# Allegro board BeagleBoard-X15_RevA2.brd
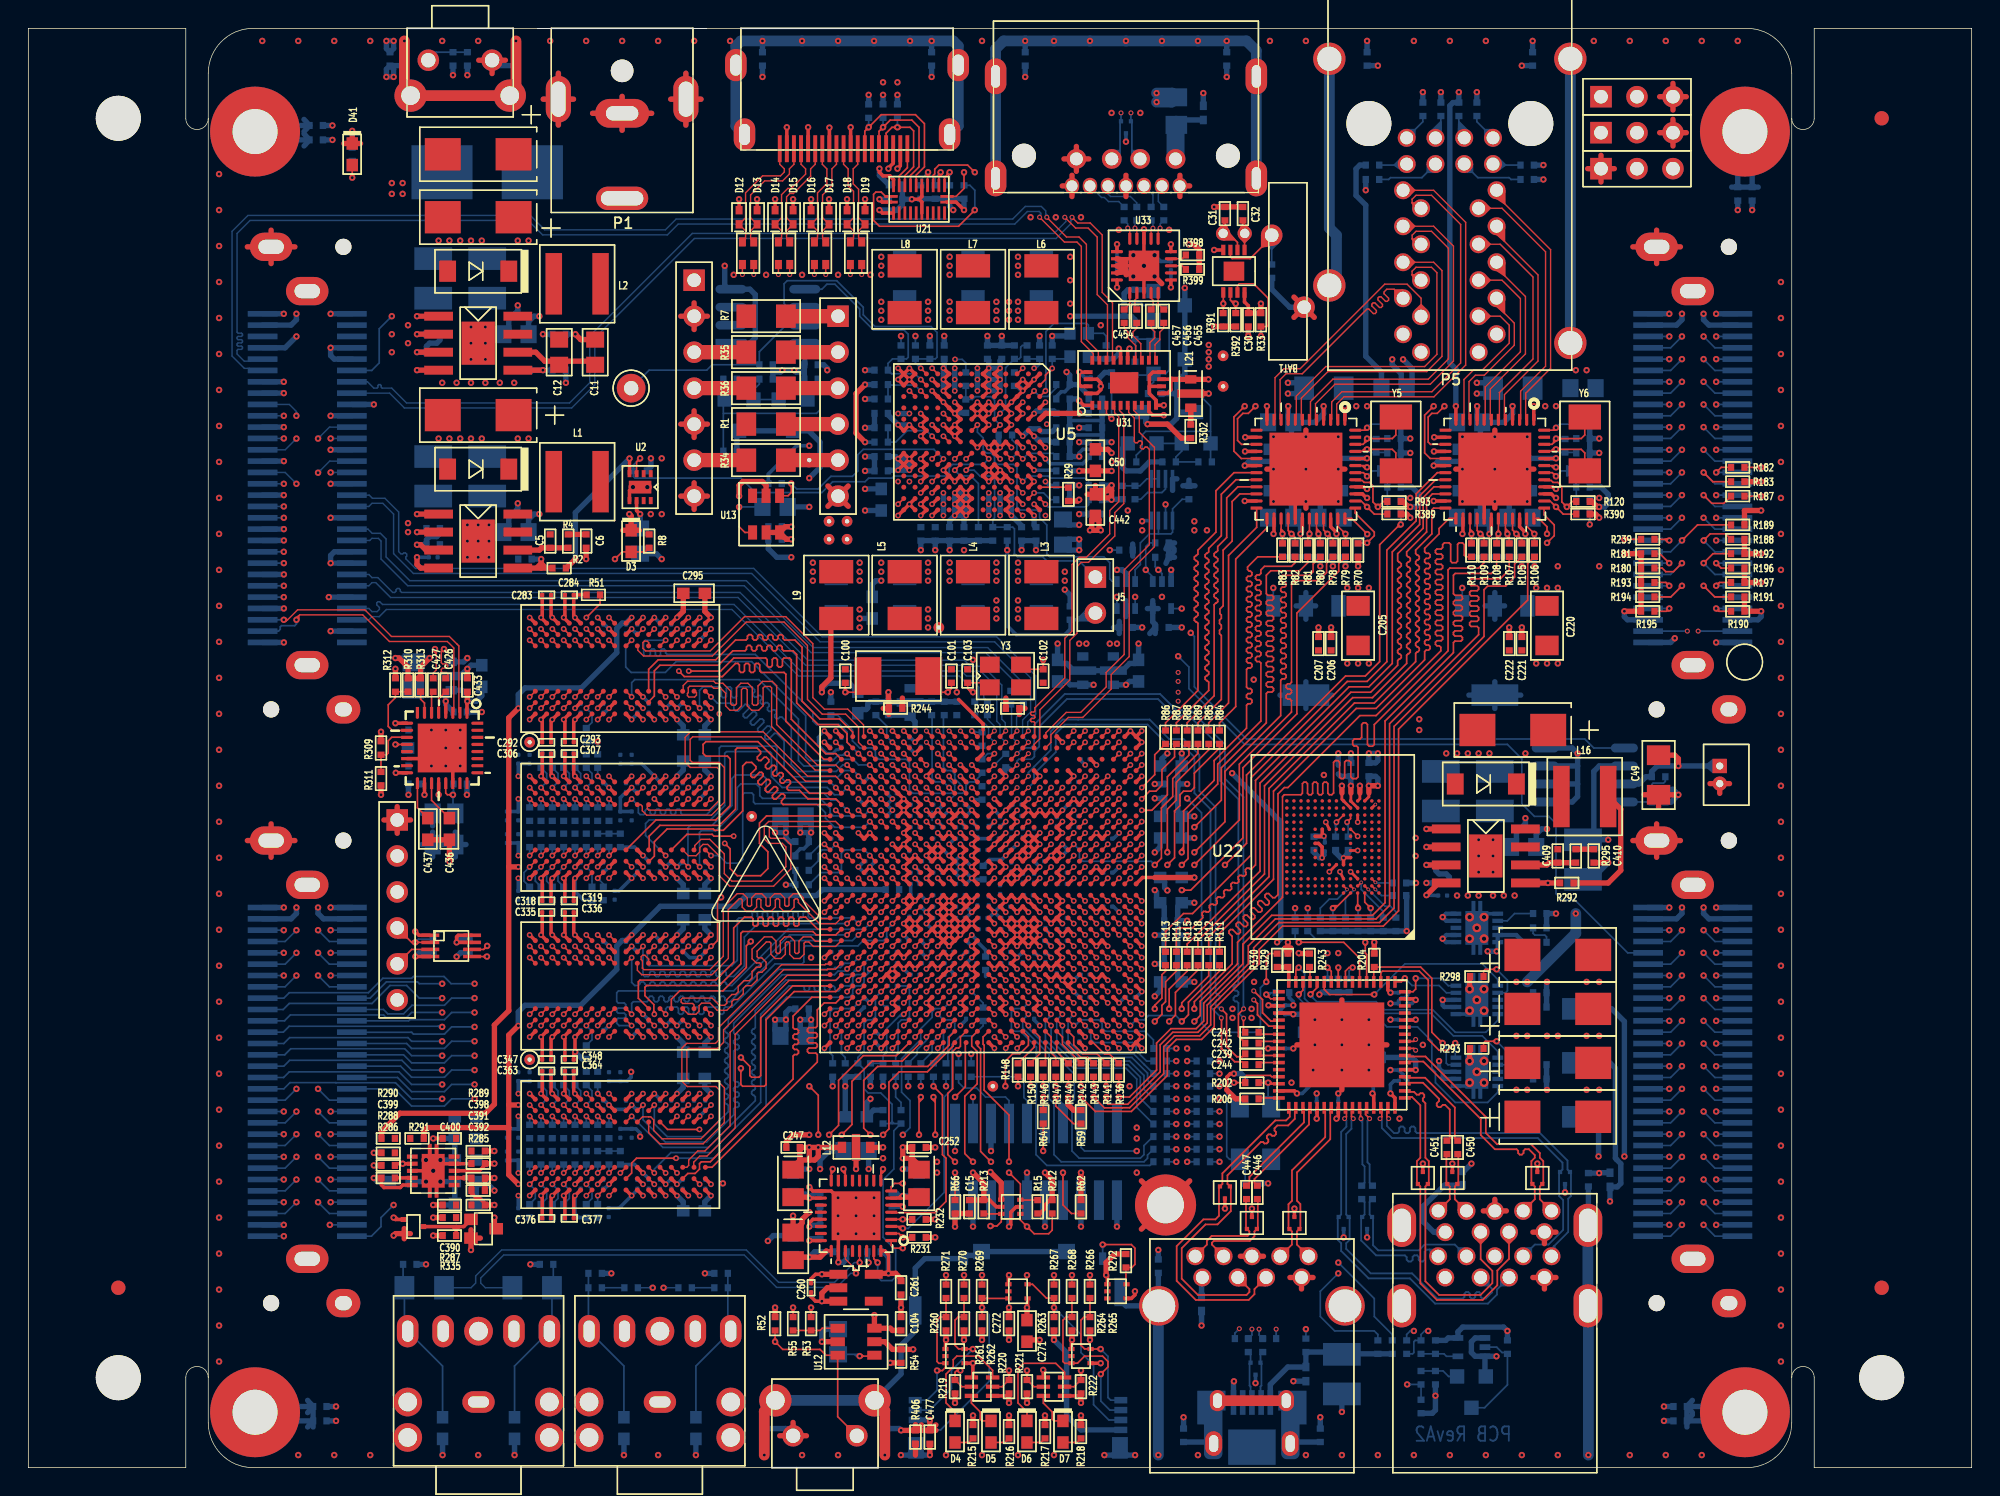
[diagram p0: board, top side]
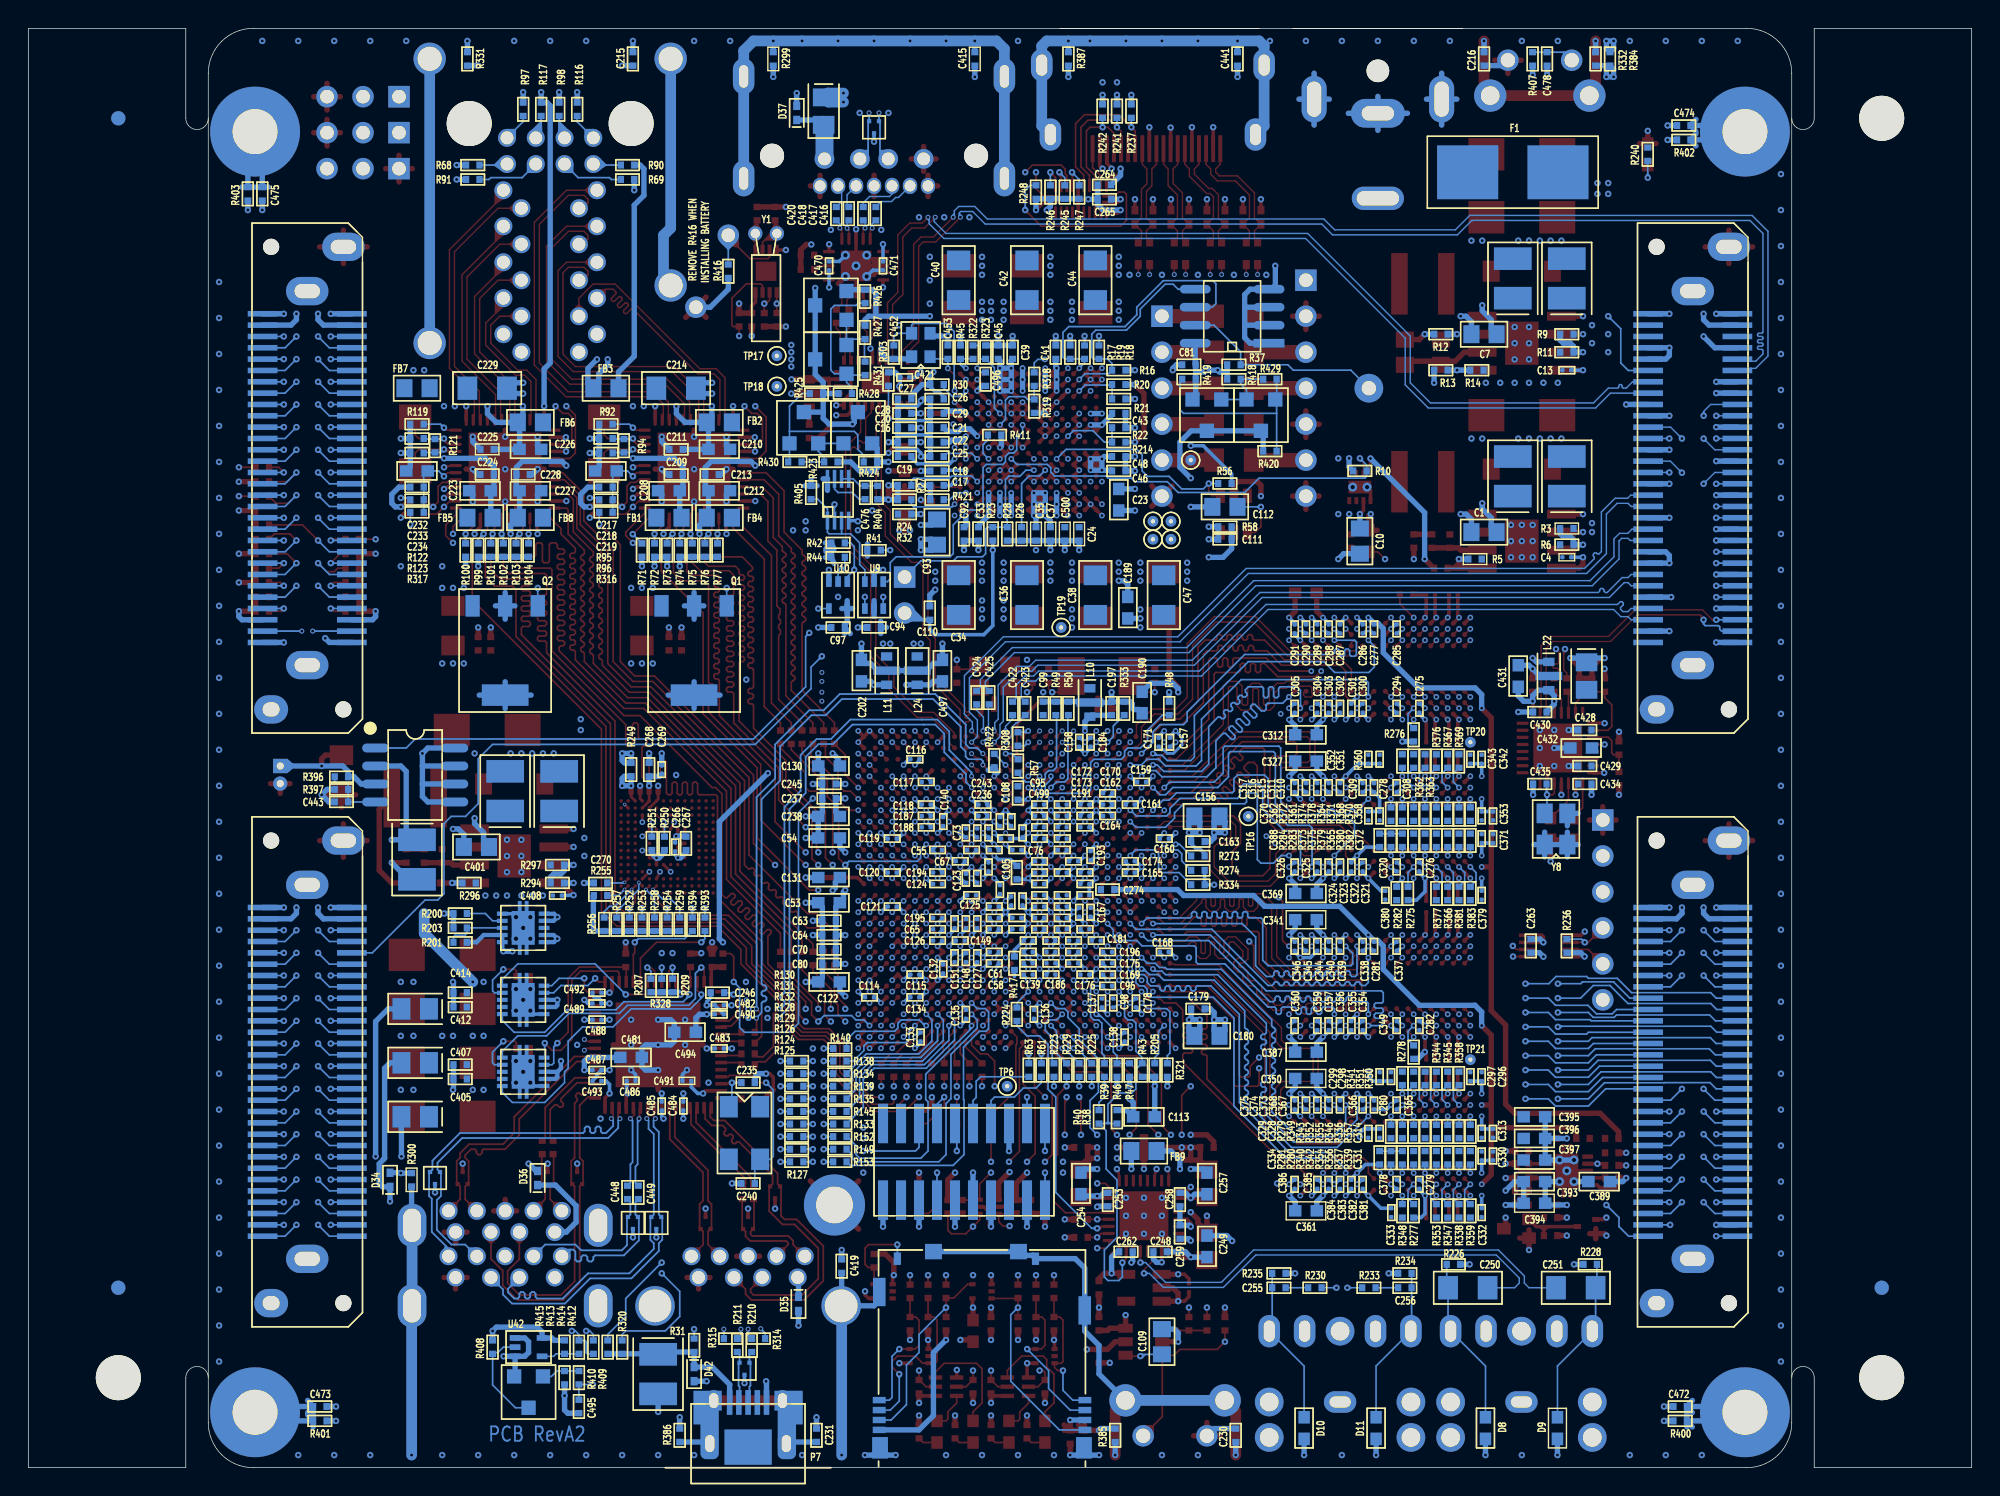
[diagram p1: board, bottom side, seen from below]

Outline 137.16 x 101.6 mm; copper layers: TOP, GND_L2, INT_L3, GND_L4, SIG_L5, PWR_L6, PWR_L7, SIG_L8, GND_L9, SIG_L10, GND_L11, BOTTOM. Coordinates in mm from the lower left corner of the outline.
Outline path: 12.7,6.35 arc(11.91,7.14) 11.11,6.35 11.11,0 0,0 0,101.6 11.11,101.6 11.11,95.25 arc(11.91,94.46) 12.7,95.25 ; 124.46,6.35 arc(125.25,7.14) 126.05,6.35 126.05,0 137.16,0 137.16,101.6 126.05,101.6 126.05,95.25 arc(125.25,94.46) 124.46,95.25 ; 12.7,98.42 12.7,3.17 arc(13.63,0.93) 15.88,0 121.28,0 arc(123.53,0.93) 124.46,3.17 124.46,98.42 arc(123.53,100.67) 121.28,101.6 15.88,101.6 arc(13.63,100.67) 12.7,98.42

## Design rules (mm)
net group AIC_MCLK: nets AIC_MCLK AIC_MCLKR
net group AUDIN: nets AUDIN_L AUDIN_R
net group AUDIO: nets AUDIO_L AUDIO_R
net group CON.PCIE_RX0: nets CON.PCIE_RXN0 CON.PCIE_RXP0
net group CON.PCIE_RX1: nets CON.PCIE_RXN1 CON.PCIE_RXP1
net group CON.PCIE_TXN0: nets CON.PCIE_TXN0 PCIE_TXN0
net group CON.PCIE_TXN1: nets CON.PCIE_TXN1 PCIE_TXN1
net group CON.PCIE_TXP0: nets CON.PCIE_TXP0 PCIE_TXP0
net group CON.PCIE_TXP1: nets CON.PCIE_TXP1 PCIE_TXP1
net group CONN_SATA_RXN: nets CONN_SATA_RXN ESATA_R-
net group CONN_SATA_RXP: nets CONN_SATA_RXP ESATA_R+
net group CONN_SATA_TXN: nets CONN_SATA_TXN ESATA_T-
net group CONN_SATA_TXP: nets CONN_SATA_TXP ESATA_T+
net group CPU_POR_RESETN: nets CPU_POR_RESETN TPS_RST
net group DDR1_DQS0: nets DDR1_DQS0 DDR1_DQSN0
net group DDR1_DQS2: nets DDR1_DQS2 DDR1_DQSN2
net group DDR2_DQS0: nets DDR2_DQS0 DDR2_DQSN0
net group DDR2_DQS2: nets DDR2_DQS2 DDR2_DQSN2
net group DIFFPAIR0: nets GPIO3_23 GPIO3_26
net group DIFFPAIR1: nets GPIO3_16 GPIO3_18
net group DIFFPAIR2: nets GPIO3_8 GPIO3_14
net group DIFFPAIR3: nets GPIO3_7 GPIO3_10
net group DIFFPAIR4: nets GPIO3_20 GPIO3_24
net group DIFFPAIR5: nets GPIO3_11 GPIO3_12
net group DIFFPAIR6: nets GPIO3_9 GPIO3_15
net group DIFFPAIR7: nets GPIO2_31 GPIO3_6
net group EMAC(0)_RXD0: nets EMAC(0)_RXD0 R_EMAC[0]_RXD0
net group EMAC(0)_RXD1: nets EMAC(0)_RXD1 R_EMAC[0]_RXD1
net group EMAC(0)_RXD2: nets EMAC(0)_RXD2 R_EMAC[0]_RXD2
net group EMAC(0)_RXD3: nets EMAC(0)_RXD3 R_EMAC[0]_RXD3
net group EMAC(1)_RXD0: nets EMAC(1)_RXD0 R_EMAC[1]_RXD0
net group EMAC(1)_RXD1: nets EMAC(1)_RXD1 R_EMAC[1]_RXD1
net group EMAC(1)_RXD2: nets EMAC(1)_RXD2 R_EMAC[1]_RXD2
net group EMAC(1)_RXD3: nets EMAC(1)_RXD3 R_EMAC[1]_RXD3
net group EMAC[0]_RXC: nets EMAC[0]_RXC R_EMAC[0]_RXC
net group EMAC[0]_RXCTL: nets EMAC[0]_RXCTL R_EMAC[0]_RXCTL
net group EMAC[0]_TXC: nets EMAC[0]_TXC R_EMAC[0]_TXC
net group EMAC[0]_TXCTL: nets EMAC[0]_TXCTL R_EMAC[0]_TXCTL
net group EMAC[0]_TXD0: nets EMAC[0]_TXD0 R_EMAC[0]_TXD0
net group EMAC[0]_TXD1: nets EMAC[0]_TXD1 R_EMAC[0]_TXD1
net group EMAC[0]_TXD2: nets EMAC[0]_TXD2 R_EMAC[0]_TXD2
net group EMAC[0]_TXD3: nets EMAC[0]_TXD3 R_EMAC[0]_TXD3
net group EMAC[1]_RXC: nets EMAC[1]_RXC R_EMAC[1]_RXC
net group EMAC[1]_RXCTL: nets EMAC[1]_RXCTL R_EMAC[1]_RXCTL
net group EMAC[1]_TXC: nets EMAC[1]_TXC R_EMAC[1]_TXC
net group EMAC[1]_TXCTL: nets EMAC[1]_TXCTL R_EMAC[1]_TXCTL
net group EMAC[1]_TXD0: nets EMAC[1]_TXD0 R_EMAC[1]_TXD0
net group EMAC[1]_TXD1: nets EMAC[1]_TXD1 R_EMAC[1]_TXD1
net group EMAC[1]_TXD2: nets EMAC[1]_TXD2 R_EMAC[1]_TXD2
net group EMAC[1]_TXD3: nets EMAC[1]_TXD3 R_EMAC[1]_TXD3
net group EXP_SATA_RX: nets EXP_SATA_RXN EXP_SATA_RXP
net group EXP_SATA_TX: nets EXP_SATA_TXN EXP_SATA_TXP
net group HDMI: nets HDMI_TX2+ HDMI_TX2-
net group HDMI_TX0: nets HDMI_TX0+ HDMI_TX0-
net group HDMI_TX1: nets HDMI_TX1+ HDMI_TX1-
net group HDMI_TXC: nets HDMI_TXC+ HDMI_TXC-
net group P0_TRD[0]: nets P0_TRD[0]N P0_TRD[0]P
net group P0_TRD[1]: nets P0_TRD[1]N P0_TRD[1]P
net group P0_TRD[2]: nets P0_TRD[2]N P0_TRD[2]P
net group P0_TRD[3]: nets P0_TRD[3]N P0_TRD[3]P
net group P1_TRD[0]: nets P1_TRD[0]N P1_TRD[0]P
net group P1_TRD[1]: nets P1_TRD[1]N P1_TRD[1]P
net group P1_TRD[2]: nets P1_TRD[2]N P1_TRD[2]P
net group P1_TRD[3]: nets P1_TRD[3]N P1_TRD[3]P
net group PCI_CONN_REF: nets PCI_CONN_REFN PCI_CONN_REFP
net group PUSB_RXN0: nets PUSB_RXN0 USB_SSTXM0
net group PUSB_RXP0: nets PUSB_RXP0 USB_SSTXP0
net group PUSB_TXN0: nets PUSB_TXN0 USB_SSRXM0
net group PUSB_TXP0: nets PUSB_TXP0 USB_SSRXP0
net group RDRX: nets RDRXN RDRXP
net group RDTX: nets RDTXN RDTXP
net group RHDMI_TX0: nets RHDMI_TX0+ RHDMI_TX0-
net group RHDMI_TX1: nets RHDMI_TX1+ RHDMI_TX1-
net group RHDMI_TX2: nets RHDMI_TX2+ RHDMI_TX2-
net group RHDMI_TXC: nets RHDMI_TXC+ RHDMI_TXC-
net group RTCK: nets RTCK RTCKR
net group SAT_RX: nets SAT_RXN SAT_RXP
net group SATA_TX0: nets SAT_TXN SAT_TXP
net group SERDES_CLKN: nets SERDES_CLKN SERDES_IN_REFN
net group SERDES_CLKP: nets SERDES_CLKP SERDES_IN_REFP
net group TCK: nets TCK TCLK
net group TDO: nets TDO TDOR
net group TX1+: nets TX1+ USB_TXP1
net group TX1-: nets TX1- USB_TXM1
net group TX2+: nets TX2+ USB_TXP2
net group TX2-: nets TX2- USB_TXM2
net group TX+: nets TX+ USB_TXP0
net group TX-: nets TX- USB_TXM0
net group USB1_D: nets USB1_DM USB1_DP
net group USB2_D: nets USB2_DM USB2_DP
net group USB2_DEX: nets USB2_DMEX USB2_DPEX
net group USB_D0: nets USB_DM0 USB_DP0
net group USB_D1: nets USB_DM1 USB_DP1
net group USB_D2: nets USB_DM2 USB_DP2
net group USB_D3: nets USB_DM3 USB_DP3
net group USB_RX0: nets USB_RXM0 USB_RXP0
net group USB_RX1: nets USB_RXM1 USB_RXP1
net group USB_RX2: nets USB_RXM2 USB_RXP2
net group USBSP_D: nets USBSP_DM USBSP_DP
net group VBUS_DET: nets N29907779 VBUS_DET
net group VOUT1_CLK: nets VOUT1_CLK VOUT1_RDCLK
net group VOUT1_D0: nets VOUT1_D0 VOUT1_RD0
net group VOUT1_D1: nets VOUT1_D1 VOUT1_RD1
net group VOUT1_D2: nets VOUT1_D2 VOUT1_RD2
net group VOUT1_D3: nets VOUT1_D3 VOUT1_RD3
net group VOUT1_D4: nets VOUT1_D4 VOUT1_RD4
net group VOUT1_D5: nets VOUT1_D5 VOUT1_RD5
net group VOUT1_D6: nets VOUT1_D6 VOUT1_RD6
net group VOUT1_D7: nets VOUT1_D7 VOUT1_RD7
net group VOUT1_D8: nets VOUT1_D8 VOUT1_RD8
net group VOUT1_D9: nets VOUT1_D9 VOUT1_RD9
net group VOUT1_D10: nets VOUT1_D10 VOUT1_RD10
net group VOUT1_D11: nets VOUT1_D11 VOUT1_RD11
net group VOUT1_D12: nets VOUT1_D12 VOUT1_RD12
net group VOUT1_D13: nets VOUT1_D13 VOUT1_RD13
net group VOUT1_D14: nets VOUT1_D14 VOUT1_RD14
net group VOUT1_D15: nets VOUT1_D15 VOUT1_RD15
net group VOUT1_D16: nets VOUT1_D16 VOUT1_RD16
net group VOUT1_D17: nets VOUT1_D17 VOUT1_RD17
net group VOUT1_D18: nets VOUT1_D18 VOUT1_RD18
net group VOUT1_D19: nets VOUT1_D19 VOUT1_RD19
net group VOUT1_D20: nets VOUT1_D20 VOUT1_RD20
net group VOUT1_D21: nets VOUT1_D21 VOUT1_RD21
net group VOUT1_D22: nets VOUT1_D22 VOUT1_RD22
net group VOUT1_D23: nets VOUT1_D23 VOUT1_RD23
net group VOUT1_DE: nets VOUT1_DE VOUT1_RDE
net group VOUT1_HSYNC: nets VOUT1_HSYNC VOUT1_RHSYNC
net group VOUT1_RVSYNC: nets VOUT1_RVSYNC VOUT1_VSYNC
net group DDR1_DQ0: nets DDR1_D0 DDR1_D1 DDR1_D2 DDR1_D3 DDR1_D4 DDR1_D5 DDR1_D6 DDR1_D7 DDR1_DQM0
net group DDR1_DQ1: nets DDR1_D8 DDR1_D9 DDR1_D10 DDR1_D11 DDR1_D12 DDR1_D13 DDR1_D14 DDR1_D15 DDR1_DQM1 DDR1_DQS1 DDR1_DQSN1
net group DDR1_DQ2: nets DDR1_D16 DDR1_D17 DDR1_D18 DDR1_D19 DDR1_D20 DDR1_D21 DDR1_D22 DDR1_D23 DDR1_DQM2
net group DDR1_DQ3: nets DDR1_D24 DDR1_D25 DDR1_D26 DDR1_D27 DDR1_D28 DDR1_D29 DDR1_D30 DDR1_D31 DDR1_DQM3 DDR1_DQS3 DDR1_DQSN3
net group DDR2_DQ0: nets DDR2_D0 DDR2_D1 DDR2_D2 DDR2_D3 DDR2_D4 DDR2_D5 DDR2_D6 DDR2_D7 DDR2_DQM0
net group DDR2_DQ1: nets DDR2_D8 DDR2_D9 DDR2_D10 DDR2_D11 DDR2_D12 DDR2_D13 DDR2_D14 DDR2_D15 DDR2_DQM1 DDR2_DQS1 DDR2_DQSN1
net group DDR2_DQ2: nets DDR2_D16 DDR2_D17 DDR2_D18 DDR2_D19 DDR2_D20 DDR2_D21 DDR2_D22 DDR2_D23 DDR2_DQM2
net group DDR2_DQ3: nets DDR2_D24 DDR2_D25 DDR2_D26 DDR2_D27 DDR2_D28 DDR2_D29 DDR2_D30 DDR2_D31 DDR2_DQM3 DDR2_DQS3 DDR2_DQSN3
net group DDR_VREFSTL1: nets DDR_VREFSTL1 DDR_VREFSTL2 VTT_VOSNS
net group E0_RST: nets E0_RST E1_RSTN ENET_PORZ PORZ RTC_ISO
net group RDRXP: nets RXP_MUXC
net group RDTXN: nets TXN_MUXC
net group RX_MUXC: nets RXN_MUXC
net group TX_MUXC: nets TXP_MUXC
net group VDAC_3V3: nets AIC_AVDD_DAC3.3 GND_SIGNAL VDAC_3V3
nets with their own width: min track width 0.254; nets LDO_VRTC

## Placement (name value [footprint] x y rotation side)
BAT1  CR1220MFR FV  [BATT2_78X492]  88.9 84.45 270 top
C1  0.1uf,25V,0805  [805]  34.42 66.04 180 bottom
C2  100uF,10V  [6032]  31.75 74.3 180 top
C3  4.7uF,50V.LESR  [1210]  28.58 69.98 90 bottom
C4  8.2nF,10V,0201  [201]  28.58 64.26 0 bottom
C5  22pF  [402]  36.83 65.41 270 top
C6  .001uF,50V  [402]  39.37 65.41 270 top
C7  0.1uf,25V,0805  [805]  34.42 80.01 180 bottom
C8  100uF,10V  [6032]  31.75 88.27 180 top
C9  100uF,10V  [6032]  31.75 92.71 180 top
C10  220pF,50V  [805]  43.18 65.41 270 bottom
C11  820pF,50V  [805]  40.01 78.74 90 top
C12  15pF,50V  [805]  37.47 78.74 90 top
C13  8.2nF,10V,0201  [201]  28.58 77.47 0 bottom
C14  4.7uF,50V.LESR  [1210]  28.58 83.95 90 bottom
C15  0.1uf,16V  [402]  66.42 18.41 270 top
C16  0.1uf,16V  [402]  75.31 72.39 180 bottom
C17  2.2uF,6.3V  [402]  73.03 69.34 180 bottom
C18  2.2uF,6.3V  [402]  73.03 70.36 180 bottom
C19  2.2uF,6.3V  [402]  75.31 71.37 180 bottom
C20  2.2uF,6.3V  [402]  75.31 73.41 180 bottom
C21  2.2uF,6.3V  [402]  73.03 73.41 180 bottom
C22  2.2uF,6.3V  [402]  73.03 72.39 180 bottom
C23  10uF,6.3V  [603]  60.2 68.33 90 bottom
C24  2.2uF,6.3V  [402]  62.99 65.91 90 bottom
C25  2.2uF,6.3V  [402]  73.03 71.37 180 bottom
C26  2.2uF,6.3V  [402]  73.03 75.44 180 bottom
C27  2.2uF,6.3V  [402]  75.31 75.44 180 bottom
C28  2.2uF,6.3V  [402]  75.31 74.42 180 bottom
C29  2.2uF,6.3V  [402]  73.03 74.42 180 bottom
C30  0.1uf,16V  [402]  86.11 81.03 270 top
C31  10pF,50V  [402]  84.45 88.52 90 top
C32  10pF,50V  [402]  85.72 88.52 90 top
C33  4.7uF,6.3V  [402]  70.1 65.91 270 bottom
C34  47uF,6.3V,1206  [1206]  71.5 61.59 90 bottom
C35  4.7uF,6.3V  [402]  66.04 65.91 270 bottom
C36  47uF,6.3V,1206  [1206]  66.68 61.59 90 bottom
C37  4.7uF,6.3V  [402]  65.02 65.91 270 bottom
C38  47uF,6.3V,1206  [1206]  61.85 61.59 90 bottom
C39  4.7uF,6.3V  [402]  67.69 78.74 90 bottom
C40  47uF,6.3V,1206  [1206]  71.5 83.82 270 bottom
C41  4.7uF,6.3V  [402]  64.64 78.74 90 bottom
C42  47uF,6.3V,1206  [1206]  66.68 83.82 270 bottom
C43  4.7uF,6.3V  [402]  60.2 74.42 180 bottom
C44  47uF,6.3V,1206  [1206]  61.85 83.82 270 bottom
C45  4.7uF,6.3V  [402]  68.71 78.74 90 bottom
C46  4.7uF,6.3V  [402]  60.2 70.36 180 bottom
C47  47uF,6.3V,1206  [1206]  57.02 61.59 90 bottom
C48  4.7uF,6.3V  [402]  60.2 71.37 180 bottom
C49  47uF,6.3V,1206  [1206]  115.06 48.9 270 top
C50  10uF,6.3V  [603]  75.31 71.12 270 top
C51  0.1uF/201  [201]  70.99 38.4 90 bottom
C52  0.22uF/201  [201]  68.99 38 0 bottom
C53  10uF,6.3V  [603]  80.65 39.88 0 bottom
C54  10uF,6.3V  [603]  80.65 44.45 0 bottom
C55  0.1uF/201  [201]  72.99 43.61 0 bottom
C56  0.22uF/201  [201]  65.79 42.81 180 bottom
C57  0.1uF/201  [201]  68.99 38.8 180 bottom
C58  0.1uF/201  [201]  68.99 35.6 180 bottom
C59  0.1uF/201  [201]  70.19 38.4 90 bottom
C60  0.1uF/201  [201]  70.19 41.61 270 bottom
C61  0.1uF/201  [201]  68.99 36.4 0 bottom
C62  0.1uF/201  [201]  64.19 42.01 180 bottom
C63  2.2uF,6.3V  [402]  80.65 38.61 0 bottom
C64  4.7uF,6.3V  [402]  80.65 37.59 0 bottom
C65  0.47uF/201  [201]  72.99 38 0 bottom
C66  0.1uF/201  [201]  65.79 42.01 180 bottom
C67  0.1uF/201  [201]  71.39 42.81 0 bottom
C68  0.1uF/201  [201]  64.19 43.61 0 bottom
C69  0.1uF/201  [201]  63.39 42.81 180 bottom
C70  4.7uF,6.3V  [402]  80.65 36.58 0 bottom
C71  0.1uF/201  [201]  64.99 36.4 180 bottom
C72  0.1uF/201  [201]  68.59 40.81 270 bottom
C73  0.1uF/201  [201]  70.99 44.81 90 bottom
C74  0.1uF/201  [201]  70.19 44.81 90 bottom
C75  0.1uF/201  [201]  69.39 42.41 270 bottom
C76  0.1uF/201  [201]  67.39 43.61 180 bottom
C77  0.1uF/201  [201]  64.19 39.6 180 bottom
C78  0.22uF/201  [201]  70.59 43.61 180 bottom
C79  0.47uF/201  [201]  68.19 44.41 180 bottom
C80  2.2uF,6.3V  [402]  80.65 35.56 0 bottom
C81  0.1uf,16V  [402]  55.25 77.85 0 bottom
C82  0.1uF/201  [201]  64.19 38.8 180 bottom
C83  0.1uF/201  [201]  64.19 38 180 bottom
C84  0.1uF/201  [201]  64.19 40.41 180 bottom
C85  0.1uF/201  [201]  67.39 38 0 bottom
C86  0.1uF/201  [201]  67.39 38.8 0 bottom
C87  0.1uF/201  [201]  65.79 40.41 0 bottom
C88  0.22uF/201  [201]  65.79 39.6 180 bottom
C89  0.22uF/201  [201]  64.99 37.2 180 bottom
C90  1uF,4V,0201  [201]  65.79 38 0 bottom
C91  1uF,4V,0201  [201]  65.79 38.8 0 bottom
C92  2.2uF,6.3V  [402]  71.12 65.91 90 bottom
C93  22uF,6.3V  [805]  73.03 66.04 270 bottom
C94  0.1uf,16V  [402]  77.47 59.31 0 bottom
C95  0.1uF/201  [201]  65.79 46.81 180 bottom
C96  0.1uF/201  [201]  60.99 34 0 bottom
C97  0.1uf,16V  [402]  80.01 59.31 0 bottom
C98  0.1uF/201  [201]  60.59 32.8 270 bottom
C99  0.1uf,16V  [402]  65.53 53.59 90 bottom
C100  18pF,50V  [402]  57.66 55.88 90 top
C101  18pF,50V  [402]  65.15 55.88 90 top
C102  18pF,50V  [402]  71.63 55.88 270 top
C103  18pF,50V  [402]  66.29 55.88 90 top
C104  0.1uf,16V  [402]  61.59 10.16 90 top
C105  0.1uf,16V  [402]  67.39 42.01 270 bottom
C108  0.1uf,16V  [402]  67.31 47.62 90 bottom
C109  220pF,50V  [805]  57.15 8.89 90 bottom
C110  0.1uf,16V  [402]  73.53 60.33 90 bottom
C111  0.1uf,16V  [402]  52.7 65.53 180 bottom
C112  220pF,50V  [805]  52.7 67.82 0 bottom
C113  10uF,6.3V  [603]  58.42 24.77 180 bottom
C114  0.1uF/201  [201]  77.79 33.2 0 bottom
C115  0.1uF/201  [201]  74.59 34.8 180 bottom
C116  0.1uF/201  [201]  74.59 50.01 180 bottom
C117  0.1uF/201  [201]  73.79 48.41 0 bottom
C118  0.1uF/201  [201]  73.79 46.81 180 bottom
C119  0.1uF/201  [201]  76.19 44.41 0 bottom
C120  0.1uF/201  [201]  76.19 42.01 0 bottom
C121  0.1uF/201  [201]  76.19 39.6 0 bottom
C122  10uF,6.3V  [603]  80.65 34.29 0 bottom
C123  0.1uF/201  [201]  70.99 41.61 90 bottom
C124  0.1uF/201  [201]  72.99 41.21 180 bottom
C125  0.1uF/201  [201]  70.59 40.41 180 bottom
C126  0.1uF/201  [201]  72.99 37.2 0 bottom
C127  0.1uF/201  [201]  70.19 36 90 bottom
C128  0.1uF/201  [201]  66.59 35.6 180 bottom
C129  0.1uF/201  [201]  64.99 35.6 0 bottom
C130  10uF,6.3V  [603]  80.65 49.53 0 bottom
C131  10uF,6.3V  [603]  80.65 41.66 0 bottom
C132  0.1uF/201  [201]  72.59 35.2 270 bottom
C133  0.1uF/201  [201]  74.19 30.4 270 bottom
C134  0.1uF/201  [201]  74.59 33.2 180 bottom
C135  0.1uF/201  [201]  70.99 32 270 bottom
C136  0.1uF/201  [201]  66.19 32 270 bottom
C137  0.1uF/201  [201]  61.39 32.8 90 bottom
C138  0.1uF/201  [201]  59.79 30.4 270 bottom
C139  0.1uF/201  [201]  66.59 34.8 180 bottom
C140  0.1uF/201  [201]  72.59 45.61 90 bottom
C141  1uF,4V,0201  [201]  66.99 44.81 90 bottom
C142  1uF,4V,0201  [201]  62.59 41.21 180 bottom
C143  1uF,4V,0201  [201]  63.39 36.4 180 bottom
C144  1uF,4V,0201  [201]  67.79 45.61 90 bottom
C145  1uF,4V,0201  [201]  62.59 40.41 0 bottom
C146  1uF,4V,0201  [201]  66.59 36.4 0 bottom
C147  1uF,4V,0201  [201]  65.79 45.21 0 bottom
C148  1uF,4V,0201  [201]  70.99 36 270 bottom
C149  1uF,4V,0201  [201]  71.39 37.2 0 bottom
C150  1uF,4V,0201  [201]  62.59 42.01 180 bottom
C151  1uF,4V,0201  [201]  71.79 36 90 bottom
C152  1uF,4V,0201  [201]  68.59 45.61 90 bottom
C153  1uF,4V,0201  [201]  63.39 37.2 180 bottom
C154  1uF,4V,0201  [201]  66.59 37.2 180 bottom
C155  1uF,4V,0201  [201]  71.79 38.4 270 bottom
C156  22uF,6.3V  [805]  53.98 45.97 180 bottom
C157  0.1uF/201  [201]  56.58 51.21 90 bottom
C158  0.1uF/201  [201]  62.99 51.21 90 bottom
C159  0.1uF/201  [201]  58.59 48.41 0 bottom
C160  0.1uF/201  [201]  56.98 44.41 180 bottom
C161  0.22uF/201  [201]  59.39 46.81 180 bottom
C162  0.22uF/201  [201]  60.99 46.81 180 bottom
C163  4.7uF,6.3V  [402]  54.61 44.2 180 bottom
C164  1uF,4V,0201  [201]  60.99 46.01 180 bottom
C165  0.22uF/201  [201]  59.39 42.01 180 bottom
C166  0.22uF/201  [201]  62.99 39.2 90 bottom
C167  0.22uF/201  [201]  62.19 39.2 90 bottom
C168  0.22uF/201  [201]  56.98 36.4 180 bottom
C169  0.1uF/201  [201]  60.99 34.8 180 bottom
C170  0.1uF/201  [201]  60.99 47.61 180 bottom
C171  0.22uF/201  [201]  57.38 51.21 270 bottom
C172  0.22uF/201  [201]  62.59 46.81 0 bottom
C173  0.1uF/201  [201]  62.59 46.01 0 bottom
C174  0.1uF/201  [201]  59.39 42.81 180 bottom
C175  0.1uF/201  [201]  60.99 35.6 180 bottom
C176  0.1uF/201  [201]  62.59 34.8 0 bottom
C177  0.1uF/201  [201]  63.39 35.6 0 bottom
C178  0.1uF/201  [201]  58.99 32.8 270 bottom
C179  4.7uF,6.3V  [402]  54.61 32.38 180 bottom
C180  22uF,6.3V  [805]  53.98 30.48 180 bottom
C181  0.1uF/201  [201]  61.79 37.2 180 bottom
C182  0.1uF/201  [201]  65.79 44.41 180 bottom
C183  0.1uF/201  [201]  62.59 38 180 bottom
C184  0.1uF/201  [201]  62.19 51.21 90 bottom
C185  0.1uF/201  [201]  64.19 46.81 180 bottom
C186  0.1uF/201  [201]  64.99 34.8 180 bottom
C187  0.1uF/201  [201]  73.79 46.01 0 bottom
C188  0.1uF/201  [201]  73.79 45.21 0 bottom
C189  10uF,6.3V  [603]  59.56 60.71 90 bottom
C190  10uF,6.3V  [603]  58.55 54.01 270 bottom
C191  0.1uF/201  [201]  62.59 45.21 0 bottom
C192  0.1uF/201  [201]  64.19 44.41 180 bottom
C193  0.1uF/201  [201]  62.19 43.21 270 bottom
C194  0.1uF/201  [201]  72.99 42.01 0 bottom
C195  0.1uF/201  [201]  72.99 38.8 0 bottom
C196  0.1uF/201  [201]  60.99 36.4 180 bottom
C197  .001uf,50V  [402]  60.71 53.59 90 bottom
C198  0.1uF/201  [201]  65.79 41.21 0 bottom
C199  0.1uF/201  [201]  67.79 40.01 270 bottom
C200  0.1uF/201  [201]  68.99 39.6 180 bottom
C201  0.1uF/201  [201]  68.99 43.61 0 bottom
C202  10uF,6.3V  [603]  78.36 56.26 90 bottom
C203  0.1uF/201  [201]  66.99 40.01 270 bottom
C204  0.1uF/201  [201]  69.39 44.81 90 bottom
C205  47uF,6.3V,1206  [1206]  93.85 59.44 270 top
C206  4.7uF,6.3V  [402]  91.95 58.17 270 top
C207  0.1uf,16V  [402]  91.06 58.17 270 top
C208  10uF,6.3V  [603]  91.95 68.96 0 bottom
C209  0.1uf,16V  [402]  91.44 70.1 180 bottom
C210  10uF,6.3V  [603]  88.39 71.88 180 bottom
C211  0.1uf,16V  [402]  91.44 71.88 0 bottom
C212  10uF,6.3V  [603]  88.39 68.96 180 bottom
C213  0.1uf,16V  [402]  88.9 70.1 0 bottom
C214  47uF,6.3V,1206  [1206]  91.44 76.2 180 bottom
C215  0.1uf,16V  [402]  94.49 99.44 90 bottom
C216  0.1uf,16V  [402]  34.42 99.44 90 bottom
C217  18pF,50V  [402]  96.39 72.64 180 bottom
C218  18pF,50V  [402]  96.39 71.63 180 bottom
C219  10uF,DNI  [603]  96.39 70.36 0 bottom
C220  47uF,6.3V,1206  [1206]  107.19 59.44 270 top
C221  4.7uF,6.3V  [402]  105.41 58.17 270 top
C222  0.1uf,16V  [402]  104.52 58.17 90 top
C223  10uF,6.3V  [603]  105.28 68.96 0 bottom
C224  0.1uf,16V  [402]  104.78 70.1 180 bottom
C225  0.1uf,16V  [402]  104.78 71.88 180 bottom
C226  10uF,6.3V  [603]  101.73 71.88 180 bottom
C227  10uF,6.3V  [603]  101.73 68.96 180 bottom
C228  0.1uf,16V  [402]  102.23 70.1 0 bottom
C229  47uF,6.3V,1206  [1206]  104.78 76.2 180 bottom
C230  0.1uf,16V  [402]  51.94 2.29 270 bottom
C231  0.1uf,16V  [402]  81.53 2.29 270 bottom
C232  18pF,50V  [402]  109.73 72.64 180 bottom
C233  18pF,50V  [402]  109.73 71.63 180 bottom
C234  10uF,DNI  [603]  109.73 70.36 0 bottom
C235  18pF,50V  [402]  86.36 27.18 180 bottom
C236  0.1uF/201  [201]  69.79 46.01 0 bottom
C237  .001uf,50V  [402]  80.65 47.24 0 bottom
C238  10uF,6.3V  [603]  80.65 45.97 0 bottom
C239  0.1uf,16V  [402]  86.36 29.21 0 top